# KiCad board q2v2.kicad_pcb (continued)
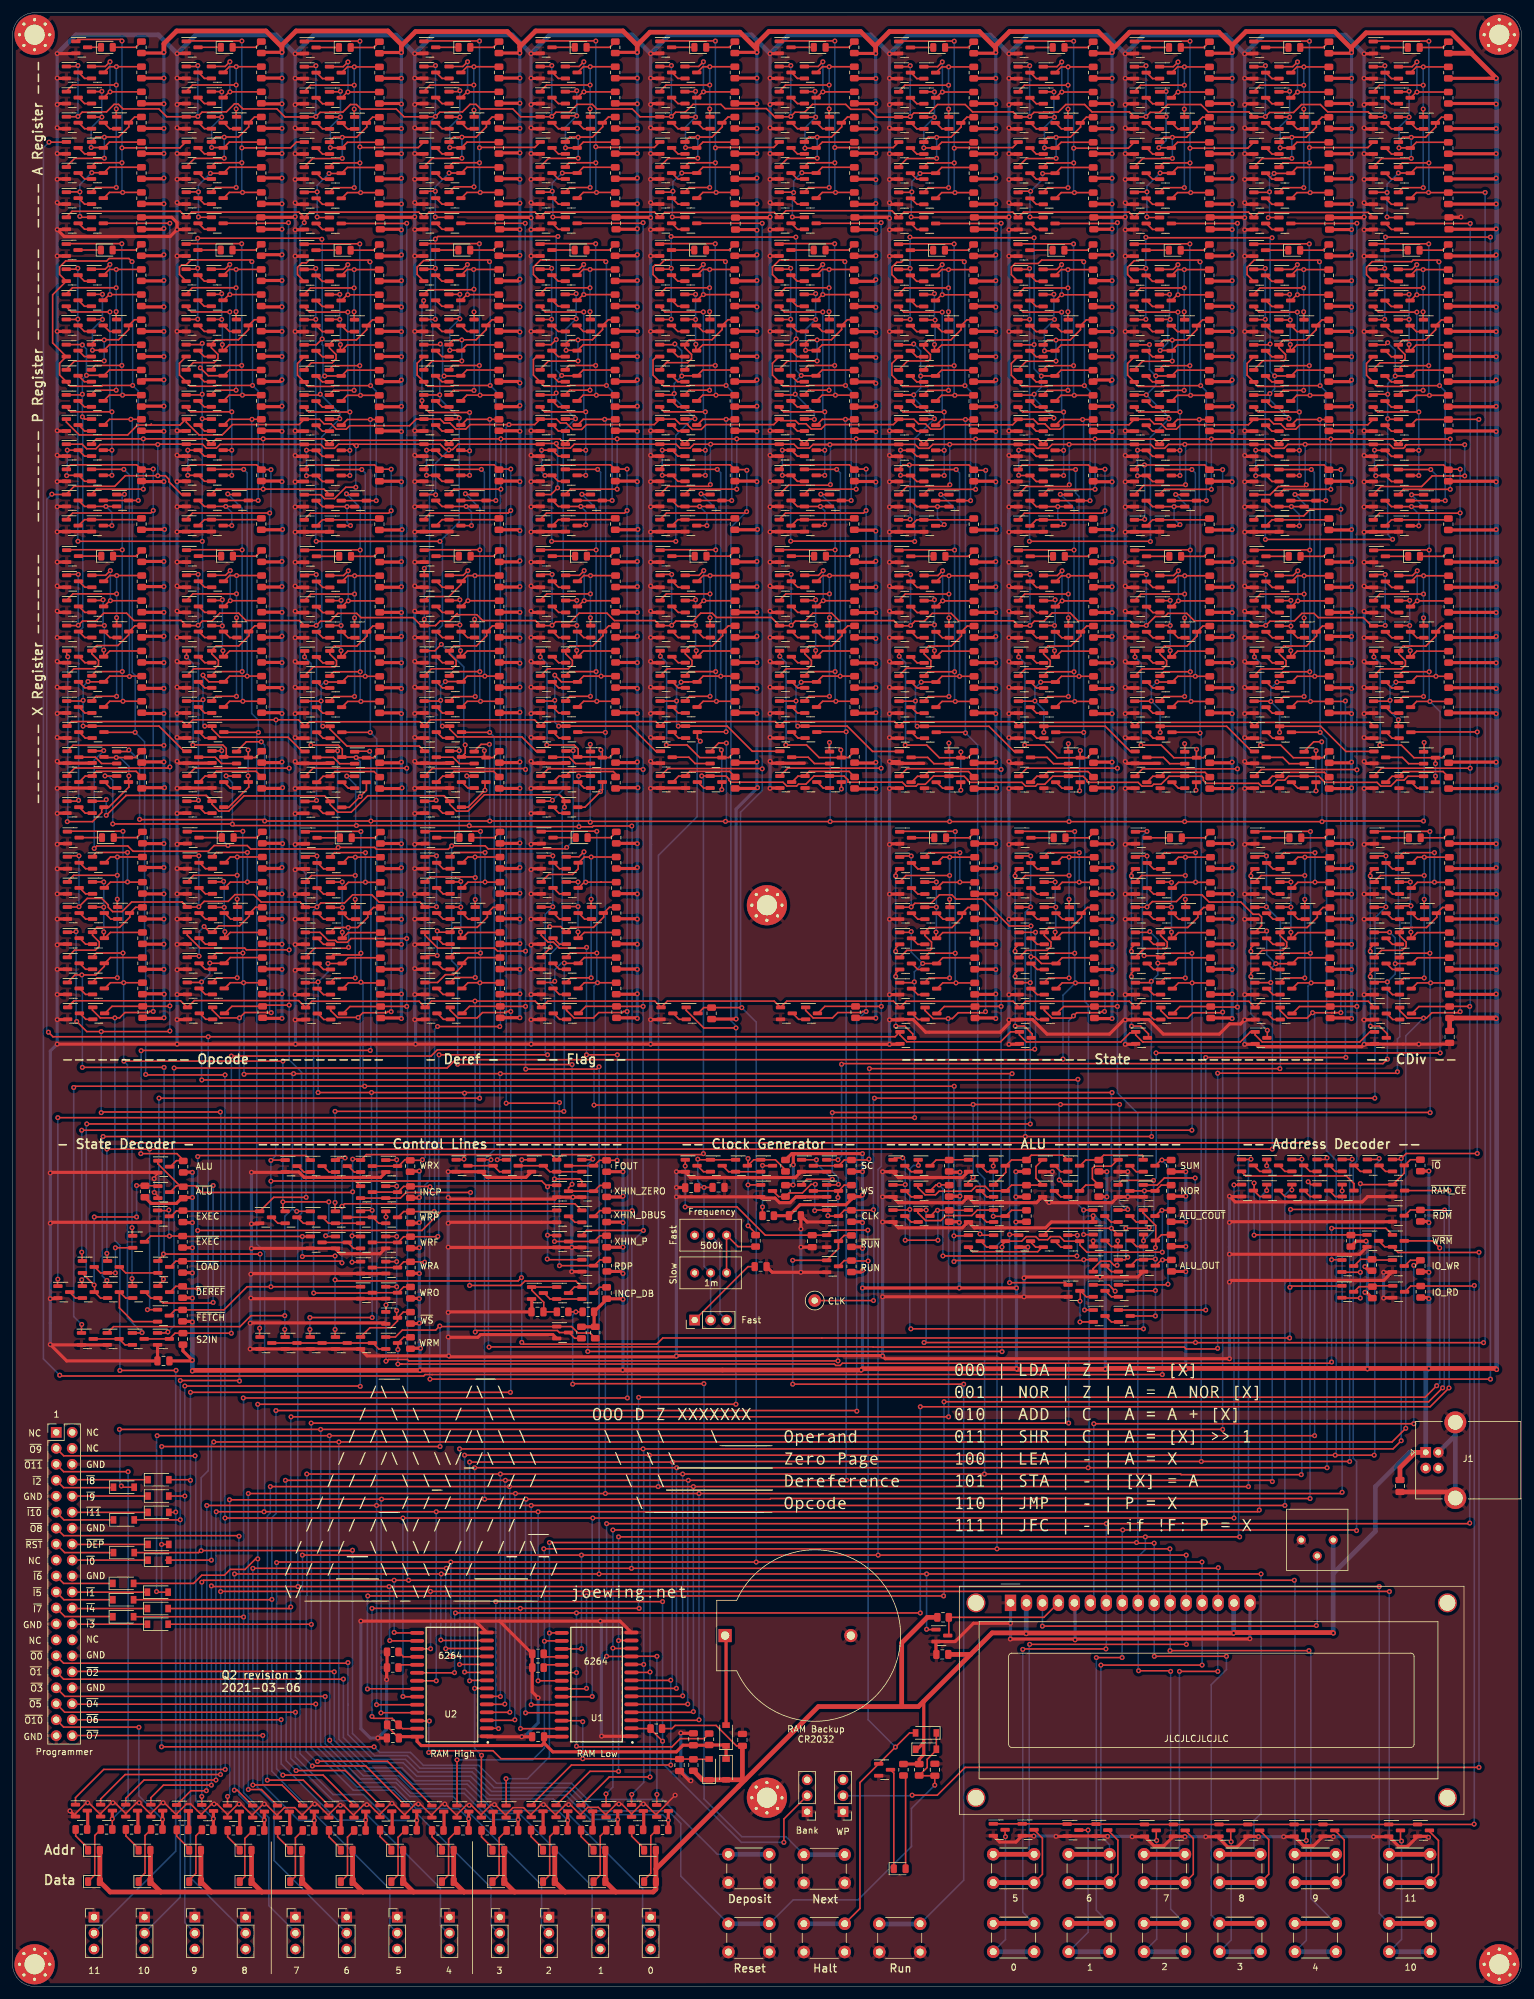
[diagram p0: board, top side]
## Routing (per net, layer and track width the routed paths; a pad name or vN(x,y) marks a point on that pad's centre or on a via; arc(x,y) is an arc through that point) (continued)
Net-(Q1062-Pad1): length 18.8
  Top w0.25: R477.2 128.86,212.47 127.95,211.56 ; Q1062.1 127.63,220.51 v1(127.75,220.63) ; v1(127.75,212.56) 127.75,211.7 ; v1(127.75,216.56) 126.06,216.56
  Bottom w0.25: v1(127.75,212.56) v1(127.75,216.56) v1(127.75,220.63)
Net-(Q1062-Pad2): length 2.4
  Top w0.25: 125.95,218.61 124.9,218.61 123.95,219.56
Net-(Q1062-Pad3): length 14.5
  Top w0.25: 125.95,224.51 128.2,224.51 v1(128.95,225.26) ; 127.95,219.56 128.86,220.47 v1(128.96,220.47) R472.2
  Bottom w0.25: v1(128.96,220.47) 128.95,220.49 v1(128.95,225.26)
Net-(Q1066-Pad2): length 2.4
  Top w0.25: 125.95,206.61 124.9,206.61 123.95,207.56
Net-(Q1067-Pad2): length 2.4
  Top w0.25: 123.95,223.56 124.9,222.61 125.95,222.61
Net-(Q1068-Pad1): length 18.6
  Top w0.25: R476.2 132.86,216.47 131.95,215.56 131.95,214.91 130.32,213.29 128.08,213.29 ; 125.95,212.51 126.73,213.29 128.08,213.29 ; 128.08,213.29 128.05,213.26 ; Q1073.1 126.01,212.03 127.08,210.96 127.08,210.25 126.47,209.65 123.09,209.65 121.95,208.51
Net-(Q1070-Pad2): length 2.4
  Top w0.25: 127.95,215.56 128.9,214.61 129.95,214.61
Net-(Q1071-Pad2): length 2.4
  Top w0.25: 125.95,214.61 124.9,214.61 123.95,215.56
Net-(Q1073-Pad2): length 2.4
  Top w0.25: 123.95,211.56 124.9,210.61 125.95,210.61
Net-(Q1075-Pad1): length 39.6
  Top w0.25: v1(110.88,270.27) 103.93,270.27 102.88,269.22 ; R482.2 v1(110.89,273.18) 109.79,273.18 108.88,272.27 ; v1(110.88,253.97) 107.63,253.97 106.88,253.22 ; v1(110.88,266.47) 110.88,265.22
  Bottom w0.25: v1(110.89,273.18) 110.88,273.17 v1(110.88,270.27) v1(110.88,266.47) v1(110.88,253.97)
Net-(Q1075-Pad2): length 2.4
  Top w0.25: 106.88,251.32 105.83,251.32 104.88,252.27
Net-(Q1076-Pad1): length 18.6
  Top w0.25: R484.2 109.79,261.18 108.88,260.27 ; Q1076.1 108.64,269.22 v1(108.65,269.23) ; v1(108.65,265.23) 106.95,265.23 ; v1(108.69,261.27) 108.69,260.39
  Bottom w0.25: v1(108.65,269.23) v1(108.65,265.23) 108.65,261.31 v1(108.69,261.27)
Net-(Q1076-Pad2): length 2.4
  Top w0.25: 106.88,267.32 105.83,267.32 104.88,268.27
Net-(Q1076-Pad3): length 14.5
  Top w0.25: 108.88,268.27 109.79,269.18 v1(109.89,269.18) R479.2 ; v1(109.88,273.97) 109.13,273.22 106.88,273.22
  Bottom w0.25: v1(109.88,273.97) 109.88,269.19 v1(109.89,269.18)
Net-(Q1080-Pad2): length 2.4
  Top w0.25: 104.88,256.27 105.83,255.32 106.88,255.32
Net-(Q1081-Pad2): length 2.4
  Top w0.25: 106.88,271.32 105.83,271.32 104.88,272.27
Net-(Q1082-Pad1): length 18.9
  Top w0.25: R483.2 113.79,265.18 112.88,264.27 112.88,263.62 111.25,261.99 107.66,261.99 106.88,261.22 ; 102.88,257.22 104.25,258.59 ; Q1087.1 106.94,260.73 108.01,259.67 108.01,258.97 107.39,258.35 104.02,258.35
Net-(Q1084-Pad2): length 2.4
  Top w0.25: 110.88,263.32 109.83,263.32 108.88,264.27
Net-(Q1085-Pad2): length 2.4
  Top w0.25: 106.88,263.32 105.83,263.32 104.88,264.27
Net-(Q1087-Pad2): length 2.4
  Top w0.25: 106.88,259.32 105.83,259.32 104.88,260.27
Net-(Q1089-Pad2): length 2.4
  Top w0.25: 125.9,247.47 124.85,247.47 123.9,248.42
Net-(Q1091-Pad2): length 12.7
  Top w0.25: 122.79,244.42 123.9,244.42 124.85,243.47 125.9,243.47 ; 123.9,240.42 124.85,239.47 125.9,239.47 ; v1(122.45,240.43) 122.46,240.42 Q1096.3 ; Q1095.3 122.46,244.42 v1(122.45,244.43)
  Bottom w0.25: v1(122.45,240.43) v1(122.45,244.43)
Net-(Q1093-Pad2): length 11.1
  Top w0.25: 129.9,235.47 v1(128.5,235.47) 124.85,235.47 123.9,236.42 ; v1(129.2,232.58) 129.04,232.42 127.9,232.42
  Bottom w0.25: v1(128.5,235.47) 129.2,234.78 v1(129.2,232.58) 129.2,232.42
Net-(Q1098-Pad1): length 10.2
  Top w0.25: 123.9,232.42 124.85,233.37 133.69,233.37
Net-(R129-Pad1): length 11.4
  Top w0.25: RV1.3 RV2.3 115.39,117.71 R129.1
Net-(R294-Pad1): length 3.1
  Top w0.25: R294.1 84.98,52.44 U1.18
Net-(R295-Pad1): length 3.3
  Top w0.25: U2.18 62.18,52.44 R295.1
Net-(R296-Pad1): length 3
  Top w0.25: R296.1 84.94,51.17 U1.19
Net-(R297-Pad1): length 3.1
  Top w0.25: U2.19 61.84,51.17 R297.1
Net-(RV2-Pad2): length 14.6
  Bottom w0.25: SW1.3 112.53,107.07 112.53,118.03 RV2.2

## Copper pours and planes (outline as drawn; the poured copper is in the pictures)
GND on Top: 240,0.03 0,0.03 0.2,314.03 240.1,314.03
GND on Bottom: 240,0.03 0,0.03 0,313.93 240,314.03

## Text on the board
F.Silkscreen: GND | ~{O11} | ~{O10} | ~{RST} | ~{I10} | NC | ~{O5} | ~{O9} | ~{O1} | ~{O8} | ~{O0} | ~{O3} | ~{I2} | ~{I5} | ~{I7} | ~{I6} | 1 | ~{I8} | ~{I9} | ~{I0} | ~{I1} | ~{I4} | ~{I3} | ~{O2} | ~{O4} | ~{O6} | ~{O7} | ~{I11} | 11 | ~{DEP} | 10 | 9 | ALU | ~{ALU} | S2IN | ~{LOAD} | EXEC | ~{EXEC} | ~{DEREF} | ~{FETCH} | 8 | 7 | 6 | 5 | ~{WS} | WRX | ~{WRP} | WRF | WRA | WRO | WRM | INCP | 4 | RAM High | 3 | 2 | RAM Low | RDP | FOUT | XHIN_P | INCP_DB | XHIN_ZERO | XHIN_DBUS | 0 | Frequency | Fast | RAM Backup / CR2032 | SC | WS | CLK | ~{RUN} | RUN | SUM | NOR | JLCJLCJLCJLC | ALU_OUT | ~{ALU_COUT} | ~{IO} | ~{RDM} | ~{WRM} | IO_RD | IO_WR | ~{RAM_CE} | Slow | Q2 revision 3 / 2021-03-06 | Addr | Data | - State Decoder - | ----------- Opcode ----------- | ----------- Control Lines ----------- | - Deref - | -- Flag -- | -- Clock Generator -- | ----------- ALU ----------- | ---------------- State ---------------- | -- Address Decoder -- | -- CDiv -- | ---- A Register --- | -------- P Register -------- | ------- X Register -------
